# Altium PCB RTM_4SFP_3QSFP.PcbDoc (part 3 of 4)
Units mil, origin at the board's own origin, x right, y up, seen from the top; angles counter-clockwise.
Board outline 7187 x 5848.5 mil, 4 copper layers (L1, P2, P3, L4), stack 62.205 mil thick; 276 components, 257 nets, 1307 pads, 528 vias.
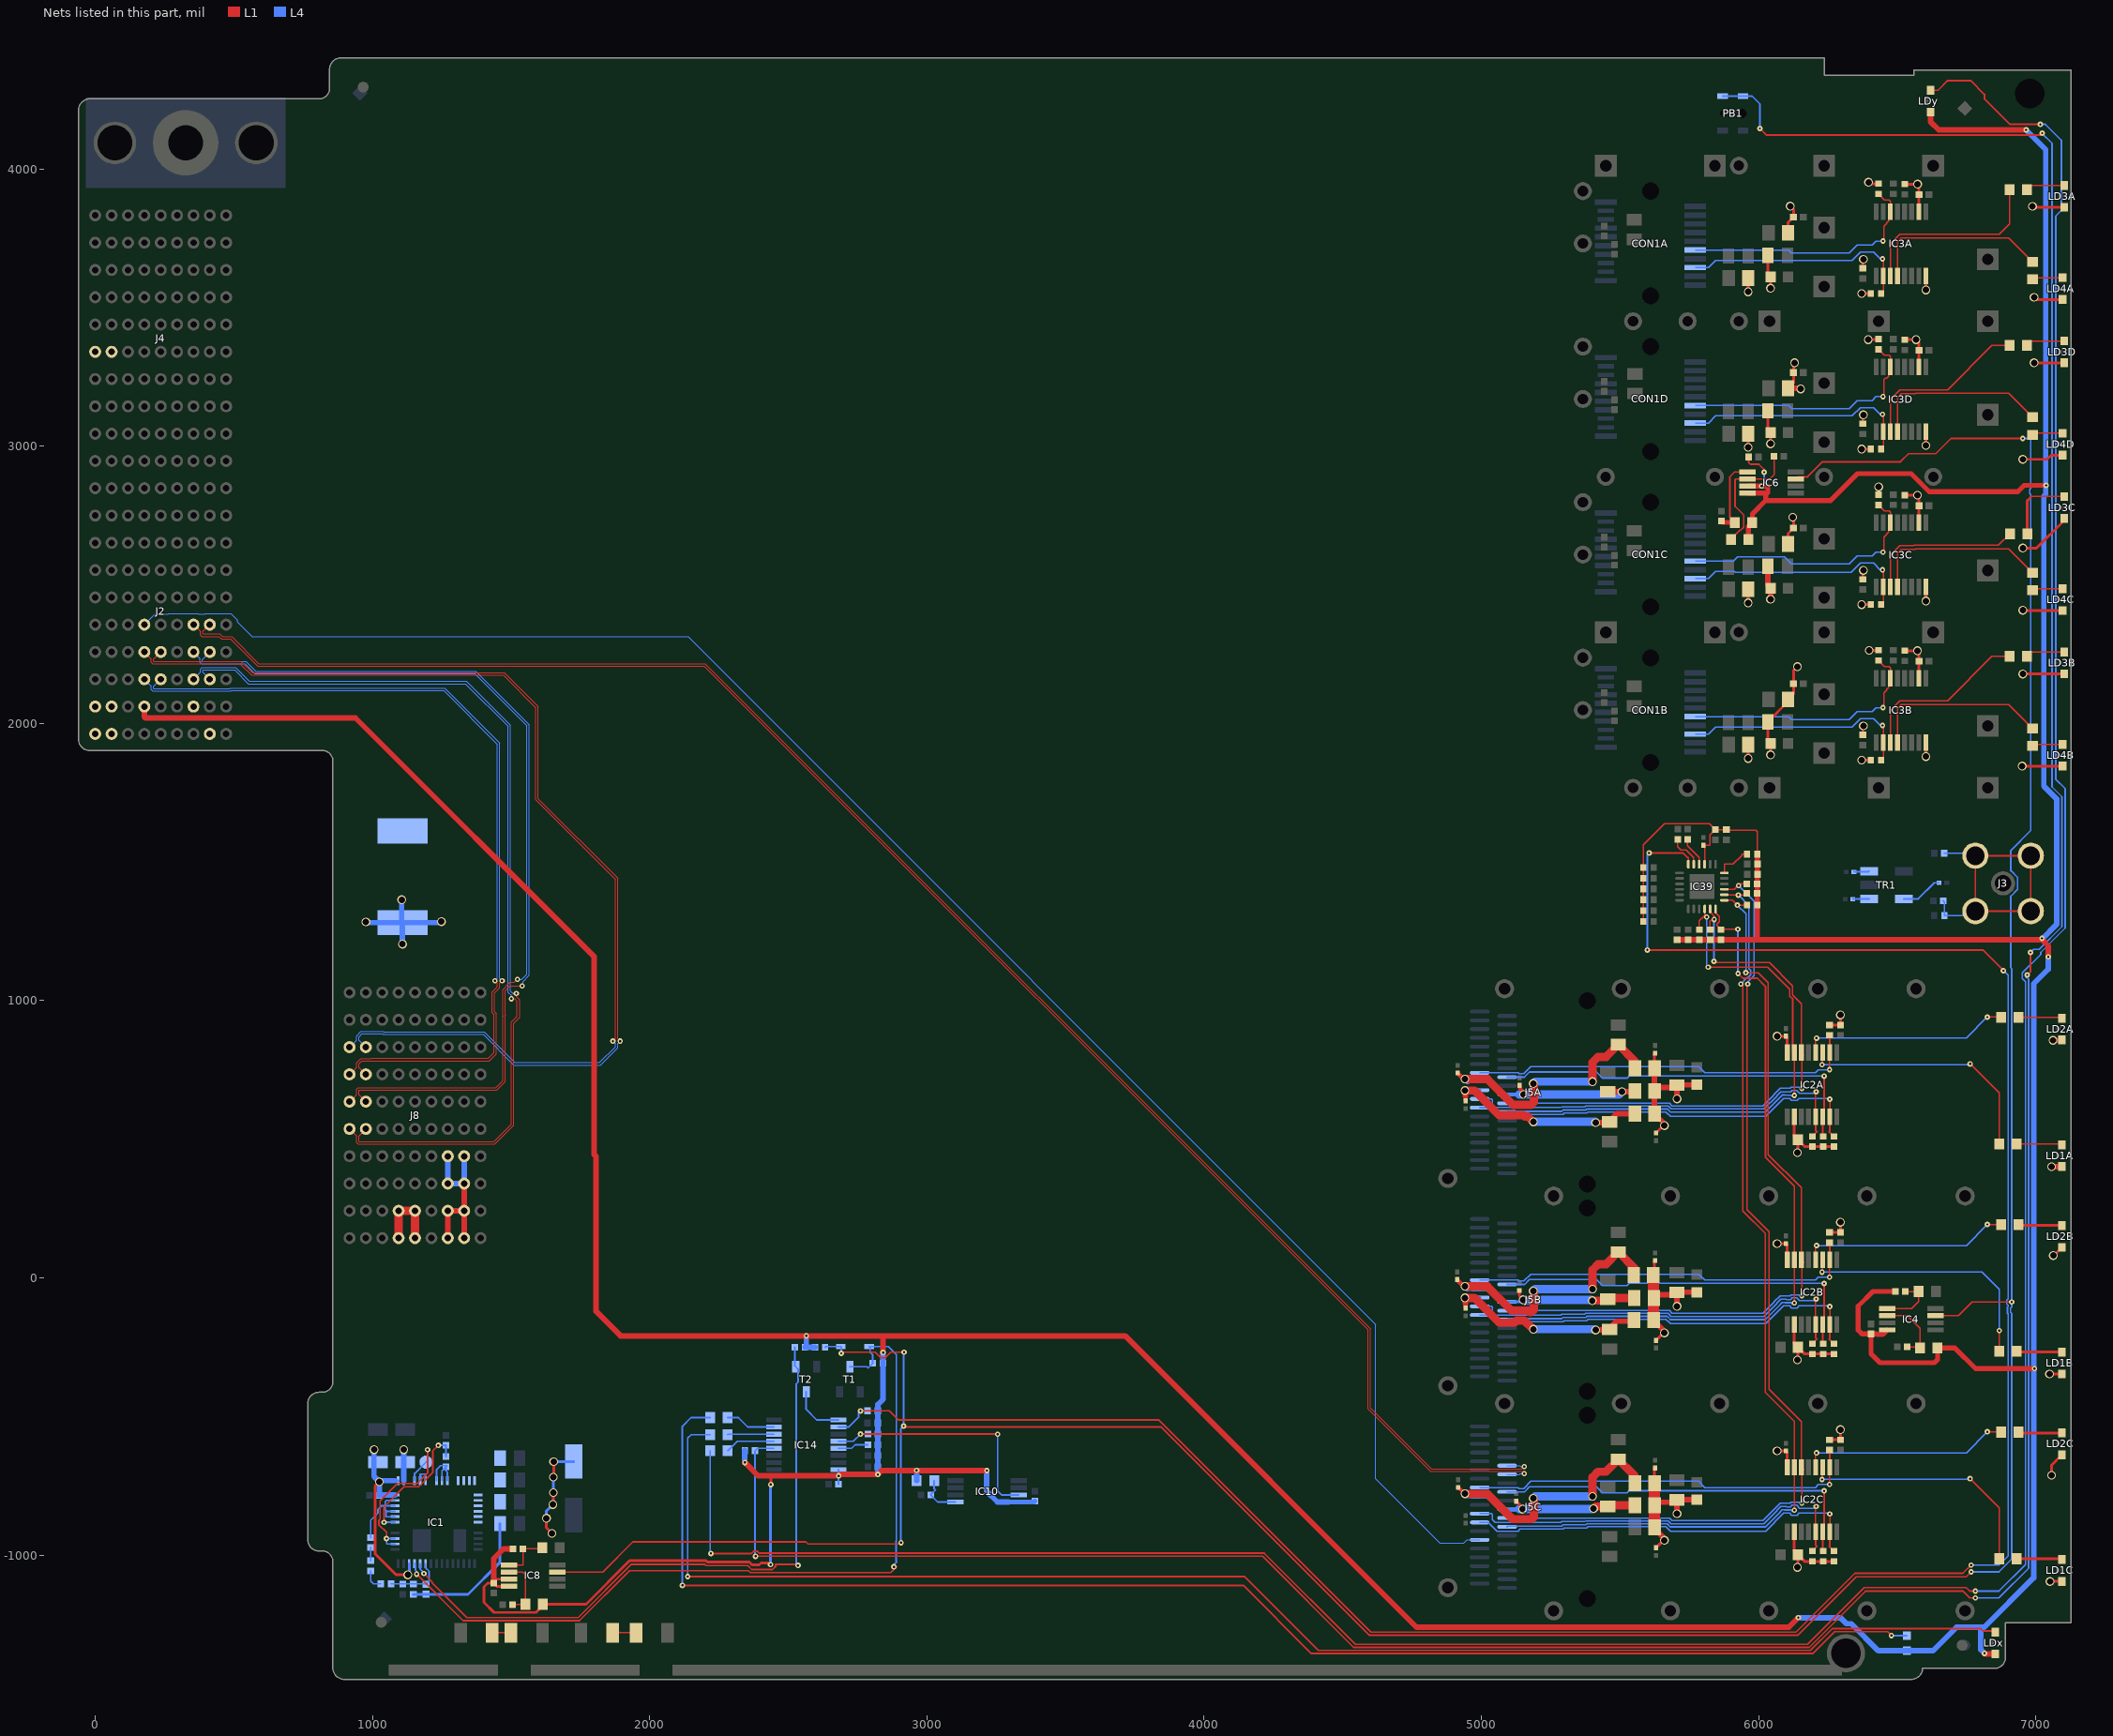
[diagram p5: the nets of this part, all layers, seen from the top]

## Via types
v1: diameter 19.68, hole 7.87, L1 to L4, tented both sides, 275 vias
v2: diameter 23.62, hole 15.75, L1 to L4, tented both sides, 124 vias
v3: diameter 31.5, hole 23.62, L1 to L4, tented both sides, 108 vias
v4: diameter 31.5, hole 15.75, L1 to L4, 12 vias
v5: diameter 23.62, hole 15.75, L1 to L4, 5 vias
v6: diameter 25.98, hole 12.99, L1 to L4, tented both sides, 4 vias

## Nets (pads, with @x,y where several pads share a name; then routed paths per layer and width w, separated by ;. In a path a pad name is that pad's centre, name@x,y a point inside that pad or via, vN(x,y) a via of type N, cw(c..) or ccw(c..) an arc to the next point about the centre after c; other vN are vias at no path point) (continued)
GTP15RX_P: J2.C5 J5C.25 | length 6558.5
  L4 w3.8: J2.C5@177.17,2356.3 215.49,2394.63 262.1,2394.63 264,2396.53 370.99,2396.53 372.89,2394.63 394.82,2394.63 396.72,2396.53 489.1,2396.53 512.67,2372.96 512.67,2366.17 565.85,2312.99 2138.45,2312.99 4619,-167.55 4619,-724.24 4850.99,-956.23 4937.35,-956.23 4948.7,-944.88 J5C.25@4993.9,-944.88
GTP15TX_N: J2.F5 J5C.5 | length 6292.6
  L1 w3.8: J2.F5@413.39,2356.3 388.26,2331.17 388.26,2322.83 449.58,2322.83 459.42,2312.99 492.13,2312.99 589.09,2216 2200.52,2216 4600,-183.48 4600,-469 4820,-689 5146.56,-689 v1(5155,-680.56)
  L4 w3.8: J5C.5@5092.72,-677.17 5137.93,-677.17 5141.32,-680.56 v1(5155,-680.56)
GTP15TX_P: J2.E5 J5C.6 | length 6307.4
  L1 w3.8: J2.E5@354.33,2356.3 379.46,2331.17 379.46,2319.19 384.61,2314.03 445.94,2314.03 455.78,2304.19 488.45,2304.19 586.23,2206.41 591.95,2206.41 592.73,2207.2 2196.87,2207.2 4591.2,-187.13 4591.2,-472.64 4816.36,-697.8 5146.56,-697.8 v1(5155,-706.24)
  L4 w3.8: J5C.6@5092.72,-708.66 5137.93,-708.66 5140.35,-706.24 v1(5155,-706.24)
GTP_CLK2_IN_N: J4.B5
GTP_CLK2_IN_P: J4.A5
I2C_RESETn: IC14.10 IC39.24 R36.2 | length 8686.7
  L1 w6: v1(2760.37,-479.63) 2864.56,-479.63 2896.94,-512 3835.97,-512 4601.97,-1278 6135,-1278 6348,-1065 6737.24,-1065 6766.45,-1035.79 v1(6767,-1035.79) ; v1(5599,1183) 6808.39,1183 v1(6883,1108.39) ; v1(5605,1533) 5727,1533 5743.65,1516.35 5746.46,1516.35 IC39.24@5746.46,1492.32
  L4 w6: IC14.10@2680.56,-537.95 2716.98,-537.95 2754,-500.92 2754,-486 v1(2760.37,-479.63) R36.2@2786.15,-479.63 ; v1(5599,1183) 5599,1527 v1(5605,1533) ; v1(6767,-1035.79) 6867,-1035.79 6900,-1002.79 6900,-129.79 6898.16,-127.95 6898.16,-104.05 6900,-102.21 6900,-99.18 6895.16,-94.34 6895.16,-79.56 6900,-74.72 6900,1092 6883.61,1108.39 v1(6883,1108.39)
INTLA: IC2A.5 J5A.28 R10A.2 | length 1453
  L1 w5: IC2A.5@6205.71,566 IC2A.5@6205.71,580.71 6205.71,669.71 v1(6208,672)
  L1 w6: R10A.2@6193.91,510.63 6210.89,527.61 6205.71,532.8 IC2A.5@6205.71,566
  L4 w5: J5A.28@4993.9,645.67 4994.17,645.94 5036,645.94 ; 5037.29,645.94 5036,645.94 ; v1(6208,672) 6201.66,665.66 6148.4,665.66 6137.72,676.34 6121.4,676.34 6115.42,670.36 6100.17,670.36 6099.53,671 6080.47,671 6067,657.53 6067,656.53 6019.88,609.41 5684.97,609.41 5674.45,619.92 5376.5,619.92 5373.71,617.13 5289.43,617.13 5286.83,614.53 5049.47,614.53 5040,624 5040,641.94 5036,645.94
INTLB: IC2B.5 J5B.28 R10B.2 | length 1453
  L1 w5: IC2B.5@6205.71,-182.03 IC2B.5@6205.71,-167.32 6205.71,-78.32 v1(6208,-76.03)
  L1 w6: R10B.2@6193.91,-237.4 6210.89,-220.42 6205.71,-215.24 IC2B.5@6205.71,-182.03
  L4 w5: J5B.28@4993.9,-102.36 4994.17,-102.1 5036,-102.1 ; 5037.29,-102.1 5036,-102.1 ; v1(6208,-76.03) 6201.66,-82.37 6148.4,-82.37 6137.72,-71.69 6121.4,-71.69 6115.42,-77.67 6100.17,-77.67 6099.53,-77.03 6080.47,-77.03 6067,-90.5 6067,-91.5 6019.88,-138.62 5684.97,-138.62 5674.45,-128.11 5376.5,-128.11 5373.71,-130.9 5289.43,-130.9 5286.83,-133.5 5049.47,-133.5 5040,-124.03 5040,-106.1 5036,-102.1
INTLC: IC2C.5 J5C.28 R10C.2 | length 1453
  L1 w5: IC2C.5@6205.71,-930.06 IC2C.5@6205.71,-915.35 6205.71,-826.35 v1(6208,-824.06)
  L1 w6: R10C.2@6193.91,-985.43 6210.89,-968.45 6205.71,-963.27 IC2C.5@6205.71,-930.06
  L4 w5: J5C.28@4993.9,-850.39 4994.17,-850.13 5036,-850.13 ; 5037.29,-850.13 5036,-850.13 ; v1(6208,-824.06) 6201.66,-830.41 6148.4,-830.41 6137.72,-819.72 6121.4,-819.72 6115.42,-825.7 6100.17,-825.7 6099.53,-825.06 6080.47,-825.06 6067,-838.54 6067,-839.54 6019.88,-886.65 5684.97,-886.65 5674.45,-876.14 5376.5,-876.14 5373.71,-878.93 5289.43,-878.93 5286.83,-881.53 5049.47,-881.53 5040,-872.06 5040,-854.13 5036,-850.13
LED_BLUE: IC14.5 R7.1 | length 181.2
  L4 w6: R7.1@2280.95,-622.71 2282.29,-622.71 2315.87,-589.13 IC14.5@2448.28,-589.13
LED_GREEN: IC14.7 R9.1 | length 181.5
  L4 w6: R9.1@2280.95,-503.69 2320.34,-503.69 2354.59,-537.95 IC14.7@2448.28,-537.95
LED_RED: IC14.6 R8.1 | length 168
  L4 w6: R8.1@2280.95,-565.26 2282.67,-563.54 IC14.6@2448.28,-563.54
LOSA: CON1A.8 IC3A.10 R40A.1 | length 838.2
  L1 w5: R40A.1@6441.69,3550.83 6449.8,3558.94 IC3A.10@6449.8,3614.17 6449.8,3673.19 v1(6446.81,3676.18)
  L4 w5: CON1A.8@5771.66,3644.69 5818.9,3644.69 5844.49,3670.28 6337.08,3670.28 6367.13,3700.33 6414.33,3700.33 6438.48,3676.18 v1(6446.81,3676.18)
LOSB: CON1B.8 IC3B.10 R40B.1 | length 838.2
  L1 w5: R40B.1@6441.69,1867.75 6449.8,1875.87 IC3B.10@6449.8,1931.1 6449.8,1990.12 v1(6446.81,1993.11)
  L4 w5: CON1B.8@5771.66,1961.61 5818.9,1961.61 5844.49,1987.2 6337.08,1987.2 6367.13,2017.26 6414.33,2017.26 6438.48,1993.11 v1(6446.81,1993.11)
LOSC: CON1C.8 IC3C.10 R40C.1 | length 841
  L1 w5: R40C.1@6441.69,2428.78 6449.8,2436.89 IC3C.10@6449.8,2492.12 6449.8,2551.14 v1(6446.81,2554.13)
  L4 w5: CON1C.8@5771.66,2522.64 5818.9,2522.64 5844.49,2548.23 5912.68,2548.23 5916.1,2544.81 6333.66,2544.81 6367.13,2578.29 6414.33,2578.29 6438.48,2554.13 v1(6446.81,2554.13)
LOSD: CON1D.8 IC3D.10 R40D.1 | length 838.7
  L1 w5: R40D.1@6441.69,2989.8 6449.8,2997.91 IC3D.10@6449.8,3053.15 6449.8,3112.16 v1(6446.81,3115.16)
  L4 w5: CON1D.8@5771.66,3083.66 5818.9,3083.66 5845.1,3109.86 6149.21,3109.86 6149.82,3109.25 6337.08,3109.25 6367.13,3139.31 6414.33,3139.31 6438.48,3115.16 v1(6446.81,3115.16)
LPModeA: IC2A.10 J5A.31 R17A.2 | length 1412.4
  L1 w5: v1(6256,751) 6256,812.1 IC2A.10@6256.89,812.99
  L1 w6: R17A.2@6255.91,875.2 6256.89,874.21 IC2A.10@6256.89,812.99
  L4 w5: J5A.31@4993.9,740.16 5133.4,740.16 5136.97,736.59 5152.97,736.59 5178.11,761.74 5784.62,761.74 5806.18,740.19 6205,740.19 6215.81,751 v1(6256,751)
LPModeB: IC2B.10 J5B.31 R17B.2 | length 1412.4
  L1 w5: v1(6256,2.97) 6256,64.07 IC2B.10@6256.89,64.96
  L1 w6: R17B.2@6255.91,127.17 6256.89,126.18 IC2B.10@6256.89,64.96
  L4 w5: J5B.31@4993.9,-7.87 5133.4,-7.87 5136.97,-11.44 5152.97,-11.44 5178.11,13.71 5784.62,13.71 5806.18,-7.85 6205,-7.85 6215.81,2.97 v1(6256,2.97)
LPModeC: IC2C.10 J5C.31 R17C.2 | length 1412.9
  L1 w5: v1(6256,-745.06) 6256,-683.96 IC2C.10@6256.89,-683.07
  L1 w6: R17C.2@6255.91,-620.87 6256.89,-621.85 IC2C.10@6256.89,-683.07
  L4 w5: J5C.31@4993.9,-755.91 5133.4,-755.91 5136.97,-759.47 5152.97,-759.47 5178.74,-733.69 5783.99,-733.69 5806.18,-755.88 6205,-755.88 6215.81,-745.06 v1(6256,-745.06)
LVDS0_N: J2.D4 J8.B3 | length 3911.5
  L1 w3.8: J2.D4@236.22,2257.87 211.09,2232.75 211.09,2224.48 525.7,2224.48 567.18,2183 1475.39,2183 1597.8,2060.59 1597.8,1728.65 1884.8,1441.65 1884.8,862.44 v1(1893.24,854)
  L4 w3.8: J8.B3@976.38,832.68 951.25,857.8 951.25,869.25 962,880 1036.2,880 1038,878.2 1399.36,878.2 1509.36,768.2 1822.65,768.2 1884.8,830.36 1884.8,845.56 v1(1893.24,854)
LVDS0_P: J2.C4 J8.A3 | length 3912.6
  L1 w3.8: J2.C4@177.17,2257.87 202.29,2232.75 202.29,2220.83 207.45,2215.68 522.06,2215.68 563.54,2174.2 1471.74,2174.2 1589,2056.94 1589,1725 1876,1438 1876,862.44 v1(1867.56,854)
  L4 w3.8: J8.A3@917.32,832.68 942.45,857.8 942.45,872.9 958.36,888.8 1039.85,888.8 1041.65,887 ; 1042.42,886.22 1041.65,887 ; v1(1867.56,854) 1876,845.56 1876,834 1819,777 1513,777 1403,887 1041.65,887
LVDS1_N: J2.D3 J8.B4 | length 3071.4
  L1 w3.8: J8.B4@976.38,734.25 951.25,759.38 951.25,773 961.03,782.78 996,782.78 ; 996,783.2 1421.65,783.2 1447,808.56 1447,953.7 1440.66,960.04 1440.66,1028.05 1459.22,1046.62 1459.22,1063.56 v1(1467.67,1072)
  L4 w3.8: J2.D3@236.22,2159.45 211.09,2134.32 211.09,2126.05 486.27,2126.05 487.22,2127 1261,2127 1459.22,1928.78 1459.22,1080.44 v1(1467.67,1072)
LVDS1_P: J2.C3 J8.A4 | length 3071.4
  L1 w3.8: J8.A4@917.32,734.25 942.45,759.38 942.45,776.65 957.38,791.58 996,791.58 ; 996,792 1418,792 1438.2,812.2 1438.2,950.05 1431.86,956.39 1431.86,1031.7 1450.42,1050.26 1450.42,1063.56 v1(1441.98,1072)
  L4 w3.8: J2.C3@177.17,2159.45 202.29,2134.32 202.29,2122.41 207.45,2117.25 489.92,2117.25 490.87,2118.2 1257.35,2118.2 1450.42,1925.13 1450.42,1080.44 v1(1441.98,1072)
LVDS2_N: J2.F4 J8.B5 | length 3261.2
  L1 w3.8: J8.B5@976.38,635.83 951.25,660.95 951.25,677 951.45,677.2 1448.65,677.2 1479.8,708.36 1479.8,947.2 1479.11,947.89 1479.11,1035.9 1496.21,1053 v1(1540,1053)
  L4 w3.8: J2.F4@413.39,2257.87 386.44,2230.93 386.44,2224.48 543.97,2224.48 579.45,2189 1372.87,2189 1565.8,1996.07 1565.8,1091.35 1542.8,1068.36 1542.8,1055.8 v1(1540,1053)
LVDS2_P: J2.E4 J8.A5 | length 3252.3
  L1 w3.8: J8.A5@917.32,635.83 942.45,660.95 942.45,680.65 947.81,686 1445,686 1471,712 1471,943.56 1470.31,944.25 1470.31,1039.54 1496.86,1066.09 1512.09,1066.09 v1(1523,1077)
  L4 w3.8: J2.E4@354.33,2257.87 377.64,2234.56 377.64,2220.83 382.8,2215.68 540.32,2215.68 575.8,2180.2 1369.22,2180.2 1557,1992.42 1557,1095 1539,1077 v1(1523,1077)
LVDS3_N: J2.F3 J8.B6 | length 3325.4
  L1 w3.8: J8.B6@976.38,537.4 951.25,512.27 951.25,491.57 1438.12,491.57 1501.42,554.87 1501.42,922.38 1522.2,943.16 1522.2,998.08 1513.28,1007 v1(1501,1007)
  L4 w3.8: J2.F3@413.39,2159.45 388.26,2184.58 388.26,2192 389.1,2192.84 502.89,2192.84 552.53,2143.2 1335.8,2143.2 1489.23,1989.77 1489.23,1030.32 1501,1018.56 v1(1501,1007)
LVDS3_P: J2.E3 J8.A6 | length 3384.1
  L1 w3.8: J8.A6@917.32,537.4 942.45,512.27 942.45,487.92 947.61,482.77 1441.77,482.77 1510.22,551.22 1510.22,918.74 1531,939.52 1531,1001.72 1519,1013.72 v1(1519,1026)
  L4 w3.8: J2.E3@354.33,2159.45 379.46,2184.58 379.46,2195.65 385.46,2201.64 506.53,2201.64 556.18,2152 1339.45,2152 1498.03,1993.41 1498.03,1033.97 1506,1026 v1(1519,1026)
MODDEF0A: CON1A.6 IC3A.6 R39A.1 | length 916
  L1 w5: R39A.1@6433.03,3910.27 6454.58,3888.72 6470.53,3888.72 6475.39,3883.86 IC3A.6@6475.39,3846.46 IC3A.6@6475.39,3829.72 ; v1(6448.73,3740.01) 6451.75,3743.04 6451.75,3792.7 6462.96,3803.9 6462.96,3806.55 6469.04,3812.63 6469.04,3823.37 IC3A.6@6475.39,3829.72 ; IC3A.6@6475.39,3821.08 IC3A.6@6475.39,3829.72
  L4 w5: CON1A.6@5771.66,3707.68 6108.77,3707.68 6119.3,3697.15 6327.53,3697.15 6356.47,3726.08 6409.16,3726.08 6423.09,3740.01 v1(6448.73,3740.01)
MODDEF0B: CON1B.6 IC3B.6 R39B.1 | length 916
  L1 w5: R39B.1@6433.03,2227.2 6454.58,2205.65 6470.53,2205.65 6475.39,2200.79 IC3B.6@6475.39,2163.38 IC3B.6@6475.39,2146.65 ; v1(6448.73,2056.94) 6451.75,2059.96 6451.75,2109.63 6462.96,2120.83 6462.96,2123.48 6469.04,2129.56 6469.04,2140.29 IC3B.6@6475.39,2146.65 ; IC3B.6@6475.39,2138.01 IC3B.6@6475.39,2146.65
  L4 w5: CON1B.6@5771.66,2024.61 6108.77,2024.61 6119.3,2014.07 6327.53,2014.07 6356.47,2043.01 6409.16,2043.01 6423.09,2056.94 v1(6448.73,2056.94)
MODDEF0C: CON1C.6 IC3C.6 R39C.1 | length 929
  L1 w5: R39C.1@6433.03,2788.23 6454.58,2766.67 6470.53,2766.67 6475.39,2761.81 IC3C.6@6475.39,2724.41 IC3C.6@6475.39,2707.68 ; v1(6448.73,2617.97) 6451.75,2620.99 6451.75,2671.49 6462.96,2682.7 6462.96,2684.51 6469.04,2690.58 6469.04,2701.32 IC3C.6@6475.39,2707.68 ; IC3C.6@6475.39,2699.04 IC3C.6@6475.39,2707.68
  L4 w5: CON1C.6@5771.66,2585.63 5909.1,2585.63 5924.82,2601.34 6093.05,2601.34 6119.3,2575.1 6327.53,2575.1 6356.47,2604.03 6409.16,2604.03 6423.09,2617.97 v1(6448.73,2617.97)
MODDEF0D: CON1D.6 IC3D.6 R39D.1 | length 920.3
  L1 w5: R39D.1@6433.03,3349.25 6454.58,3327.7 6470.53,3327.7 6475.39,3322.83 IC3D.6@6475.39,3285.43 IC3D.6@6475.39,3268.7 ; v1(6448.73,3178.99) 6451.75,3182.01 6451.75,3240.67 6456.61,3245.53 6462.96,3245.53 6469.04,3251.61 6469.04,3262.34 IC3D.6@6475.39,3268.7 ; IC3D.6@6475.39,3260.06 IC3D.6@6475.39,3268.7
  L4 w5: CON1D.6@5771.66,3146.65 6108.77,3146.65 6119.93,3135.49 6326.9,3135.49 6356.47,3165.06 6409.16,3165.06 6423.09,3178.99 v1(6448.73,3178.99)
ModPrsLA: IC2A.7 J5A.27 R12A.2 | length 1465.9
  L1 w5: IC2A.7@6256.89,580.71 6257,580.82 v1(6257,644.66)
  L1 w6: IC2A.7@6256.89,580.71 6256.89,529.84 6254.67,527.61 R12A.2@6271.65,510.63
  L4 w5: 5056.32,582.68 5131.99,582.68 5139.81,590.5 5295.33,590.5 5298.96,594.13 5380.4,594.13 5385.2,598.92 5665.76,598.92 5682,582.68 6025.68,582.68 6090.36,647.36 6111.76,647.36 6119.46,639.66 6138.41,639.66 6146.11,647.36 6254.3,647.36 v1(6257,644.66)
  L4 w6: J5A.27@4993.9,614.17 5024.83,614.17 5056.32,582.68
ModPrsLB: IC2B.7 J5B.27 R12B.2 | length 1465.9
  L1 w5: IC2B.7@6256.89,-167.32 6257,-167.21 v1(6257,-103.37)
  L1 w6: IC2B.7@6256.89,-167.32 6256.89,-218.2 6254.67,-220.42 R12B.2@6271.65,-237.4
  L4 w5: 5056.32,-165.35 5131.99,-165.35 5139.81,-157.53 5295.33,-157.53 5298.96,-153.9 5380.4,-153.9 5385.2,-149.11 5665.76,-149.11 5682,-165.35 6025.68,-165.35 6090.36,-100.67 6111.76,-100.67 6119.46,-108.37 6138.41,-108.37 6146.11,-100.67 6254.3,-100.67 v1(6257,-103.37)
  L4 w6: J5B.27@4993.9,-133.86 5024.83,-133.86 5056.32,-165.35
ModPrsLC: IC2C.7 J5C.27 R12C.2 | length 1465.9
  L1 w5: IC2C.7@6256.89,-915.35 6257,-915.24 v1(6257,-851.41)
  L1 w6: IC2C.7@6256.89,-915.35 6256.89,-966.23 6254.67,-968.45 R12C.2@6271.65,-985.43
  L4 w5: 5056.32,-913.39 5131.99,-913.39 5139.81,-905.56 5295.33,-905.56 5298.96,-901.93 5380.4,-901.93 5385.2,-897.14 5665.76,-897.14 5682,-913.39 6025.68,-913.39 6090.36,-848.7 6111.76,-848.7 6119.46,-856.41 6138.41,-856.41 6146.11,-848.7 6254.3,-848.7 v1(6257,-851.41)
  L4 w6: J5C.27@4993.9,-881.89 5024.83,-881.89 5056.32,-913.39
ModSelLA: IC2A.6 J5A.8 R11A.2 | length 1384.6
  L1 w6: R11A.2@6232.78,510.63 6231.3,512.11 IC2A.6@6231.3,580.71 6236.23,585.64 v1(6236.23,728)
  L4 w6: J5A.8@5092.72,724.41 5155.63,724.41 5173.97,742.75 5415.39,742.75 5435.75,722.39 5435.75,721.34 5436.46,720.62 5524.87,720.62 5533,728.75 6235.48,728.75 v1(6236.23,728)
ModSelLB: IC2B.6 J5B.8 R11B.2 | length 1384.6
  L1 w6: R11B.2@6232.78,-237.4 6231.3,-235.92 IC2B.6@6231.3,-167.32 6236.23,-162.39 v1(6236.23,-20.03)
  L4 w6: J5B.8@5092.72,-23.62 5155.63,-23.62 5173.97,-5.28 5415.39,-5.28 5435.75,-25.64 5435.75,-26.7 5436.46,-27.41 5524.87,-27.41 5533,-19.28 6235.48,-19.28 v1(6236.23,-20.03)
ModSelLC: IC2C.6 J5C.8 R11C.2 | length 1384.6
  L1 w6: R11C.2@6232.78,-985.43 6231.3,-983.95 IC2C.6@6231.3,-915.35 6236.23,-910.42 v1(6236.23,-768.06)
  L4 w6: J5C.8@5092.72,-771.65 5155.63,-771.65 5173.97,-753.31 5415.39,-753.31 5435.75,-773.67 5435.75,-774.73 5436.46,-775.44 5524.87,-775.44 5533,-767.31 6235.48,-767.31 v1(6236.23,-768.06)
N7V0_URFB: J8.C9 J8.C10 J8.D9 J8.D10 | length 255.9
  L1 w29.53: J8.C10@1094.49,143.7 J8.C9@1094.49,242.13 J8.D9@1153.54,242.13 J8.D10@1153.54,143.7
NetC9_1: C9.1 IC1.36 R1.1 R3.2 R5.1 | length 211.4
  L4 w6: R5.1@1067.36,-1103.48 1191.07,-1103.48 C9.1@1193.04,-1105.44 1204.46,-1094.03 1204.46,-1058.61 1191.56,-1045.72 IC1.36@1191.56,-1030.64
NetC10_1: C10.1 R4.2 | length 47.4
  L4 w6: R4.2@993.74,-1020.01 C10.1@993.74,-972.57
NetC10_2: C10.2 IC1.48 IC1.49 IC1.50 IC1.51 | length 338.8
  L4 w6: C10.2@993.74,-937.14 993.74,-874.09 1019.79,-848.04 1019.79,-834.19 1032,-821.98 1045.85,-821.98 ; IC1.48@1081.32,-861.35 1048.92,-861.35 1048.92,-839.78 ; IC1.49@1081.32,-841.67 1050.81,-841.67 1048.92,-839.78 ; IC1.50@1081.32,-821.98 1045.85,-821.98 ; IC1.51@1081.32,-802.3 1050.81,-802.3 1045.85,-807.27 1045.85,-821.98 ; 1045.85,-821.98 1045.85,-836.7 1048.92,-839.78
NetC11_2: C11.2 IC1.47 R6.1 | length 498.3
  L1 w6: v1(1041.92,-881.96) 1041.92,-825.91 1114.42,-753.41 1166.87,-753.41 1217.58,-702.7 1217.58,-623.98 v1(1237.63,-603.92)
  L4 w6: v1(1041.92,-881.96) 1042.84,-881.04 IC1.47@1081.32,-881.04 ; v1(1237.63,-603.92) 1238.08,-603.48 C11.2@1265.59,-603.48 R6.1@1265.59,-644.03
NetC16_1: C16.1 TR1.3 | length 59
  L4 w6: C16.1@6339.96,1366.14 6341.14,1367.32 TR1.3@6398.43,1367.32
NetC17_2: C17.2 TR1.4 | length 151.4
  L4 w6.64: TR1.4@6523.62,1367.32 6575.89,1367.32 6633.96,1425.39 C17.2@6650.99,1425.39
NetC18_2: C18.2 C19.2 J3.2 R2.2 | length 1102.5
  L1 w6: J3.2@6771.66,1516 6778.7,1523.03 J3.2@6781.89,1523.03 ; J3.2@6781.89,1523.03 J3.2@6781.89,1323.03 J3.2@6981.89,1323.03 J3.2@6981.89,1523.03 J3.2@6781.89,1523.03
  L4 w6: C18.2@6665.75,1360.06 6670.18,1355.62 R2.2@6670.18,1307.09 6765.94,1307.09 J3.2@6781.89,1323.03 ; C19.2@6669.4,1532.19 6772.74,1532.19 J3.2@6781.89,1523.03
NetC28_1: C28.1 TR1.1 | length 55.6
  L4 w6: C28.1@6343.87,1464.76 6395.87,1464.76 TR1.1@6398.43,1467.32
NetD1_1: D1.1 IC4.3 IC6.3 IC8.3 R34.2 | length 12038.8
  L1 w6: IC8.3@1666.32,-1060.98 1831.02,-1060.98 1939.84,-952.16 2563.36,-952.16 2570.98,-959.78 2902.22,-959.78 v1(2907,-955) ; v1(2691,-272) 2695,-268 2814.13,-268 2834.13,-288 2849.87,-288 2869.87,-268 v1(2918,-268) ; v1(2916,-534) 2920,-538 3845,-538 4596,-1289 6140.97,-1289 6351.97,-1078 6748.92,-1078 6766.45,-1060.47 v1(6767,-1060.47) ; IC6.3@6133.61,2881.8 6141.58,2889.76 6177,2889.76 6231.13,2943.9 6511.9,2943.9 6541,2973 6638.93,2973 6693.93,3028 v1(6953,3028) ; IC4.3@6637.53,-136.2 6721.47,-136.2 6770.72,-86.95 v1(6913,-86.95)
  L4 w6: R34.2@2633.12,-250.5 2636.03,-247.59 D1.1@2689.42,-247.59 2691,-249.17 v1(2691,-272) ; v1(2907,-955) 2906.16,-954.16 2906.16,-543.84 v1(2916,-534) 2916,-270 v1(2918,-268) ; v1(6767,-1060.47) 6867,-1060.47 6913,-1014.47 6913,-127.23 6909.16,-123.39 6909.16,-108.61 6913,-104.77 v1(6913,-86.95) 6913,1116 6910,1119 6910,1377.17 6934.2,1401.37 6934.2,1444.7 6910,1468.9 6910,1542 6981.89,1613.89 6981.89,2825.85 6978.13,2829.61 6978.13,2844.39 6981.89,2848.15 6981.89,3027.77 6981.66,3028 v1(6953,3028)
NetD1_2: D1.2 IC1.38 R35.2 T1.3 | length 2966.1
  L1 w6: v1(1159.61,-1068.42) 1327.29,-1236.09 1746.86,-1236.09 1927.11,-1055.84 2356.28,-1055.84 2363.28,-1062.84 2869.16,-1062.84 2891,-1041
  L4 w6: IC1.38@1152.19,-1030.64 1155.16,-1033.61 1155.16,-1054.27 1159.61,-1058.72 v1(1159.61,-1068.42) ; T1.3@2721.9,-320.43 2783.48,-320.43 2787.67,-324.62 R35.2@2804.65,-307.63 2804.65,-277.38 2795.28,-268 2795.28,-251.08 D1.2@2791.78,-247.59 2860.99,-247.59 2890,-276.6 2890,-946.77 2889.16,-947.61 2889.16,-1022.16 2891,-1024 2881,-1034 v1(2881,-1042)
NetF1_1: F1.1 J2.A1 J2.A2 J2.B1 J2.B2
NetIC1_4: IC1.4 IC1.43 IC1.44 TP1.1 | length 658.2
  L1 w6: v1(1050.81,-940.09) 1050.81,-917.5 1023.08,-889.76 1023.08,-874.16 1027.21,-870.03 1027.21,-803.68 1089.47,-741.41 1161.9,-741.41 1198.73,-704.57 v1(1198.73,-619.47)
  L4 w6: IC1.43@1081.32,-959.78 1052.54,-959.78 1050.81,-958.05 v1(1050.81,-940.09) IC1.44@1081.32,-940.09 ; IC1.4@1152.19,-731.43 1152.19,-705.35 TP1.1@1193.04,-664.5 1198.73,-658.8 v1(1198.73,-619.47)
NetIC1_5: IC1.5 IC1.6 | length 88.1
  L4 w6: 1173.84,-709.78 1173.84,-729.47 IC1.5@1171.87,-731.43 1171.87,-707.81 1189.35,-707.81 1191.56,-710.02 IC1.6@1191.56,-731.43
NetIC1_8: IC1.8 IC1.9 IC1.10 R6.2 | length 198.6
  L4 w6: IC1.8@1230.93,-731.43 1230.93,-691.88 1245.64,-677.17 1269.46,-677.17 R6.2@1265.59,-681.04 ; IC1.9@1250.61,-731.43 1250.61,-696.02 R6.2@1265.59,-681.04 ; IC1.10@1270.3,-731.43 1270.3,-700.72 1265.59,-696.02 R6.2@1265.59,-681.04
NetIC1_37: IC1.37 R46.2 T2.1 TP2.1 | length 2347.3
  L1 w6: v1(1185.61,-1066.42) 1215.61,-1096.42 1215.61,-1100.29 1340.42,-1225.09 1742.3,-1225.09 1934.38,-1033.01 2198.01,-1033.01 2202.84,-1037.84 2353.84,-1037.84 2367.84,-1051.84 2443.39,-1051.84 2453.84,-1041.39 2453.84,-1034.54 2455.38,-1033 2531,-1033 v1(2535,-1037)
  L4 w6: IC1.37@1171.87,-1030.64 1171.87,-1049.63 v1@1181.63,-1059.38 ; R46.2@2523.28,-250.5 2523.28,-316.69 T2.1@2527.02,-320.42 2535,-328.41 2535,-376.03 2529,-382.03 2529,-1031 v1(2535,-1037)
NetIC2A_11: IC2A.11 R18A.1 | length 912.3
  L1 w5: v1(6229,769) 6231.3,771.3 IC2A.11@6231.3,812.99 ; v1(6763,772) 6867.76,667.24 R18A.1@6867.76,483.27
  L4 w5: v1(6229,769) 6760,769 v1(6763,772)
NetIC2A_12: IC2A.12 R29A.1 | length 751.3
  L1 w5: IC2A.12@6205.71,812.99 6205.71,861.71 v1(6209,865) ; v1(6825,941) 6873.93,941 R29A.1@6874.97,939.96
  L4 w5: v1(6209,865) 6749,865 v1(6825,941)
NetIC2B_11: IC2B.11 R18B.1 | length 932.8
  L1 w5: v1(6229,20.97) 6231.3,23.27 IC2B.11@6231.3,64.96 ; R18B.1@6867.76,-264.76 v1@6867.76,-189.96
  L4 w5: v1(6229,20.97) 6805.03,20.97 6868,-42 v1(6868,-189.96)
NetIC2B_12: IC2B.12 R29B.1 | length 751.3
  L1 w5: IC2B.12@6205.71,64.96 6205.71,113.68 v1(6209,116.97) ; v1(6825,192.97) 6873.93,192.97 R29B.1@6874.97,191.93
  L4 w5: v1(6209,116.97) 6749,116.97 v1(6825,192.97)